# Altium PCB Fuel_Dispenser_Controller_V1.0.0.PcbDoc (part 1 of 4)
Units mm, origin at the board's own origin, x right, y up, seen from the top; angles counter-clockwise.
Board outline 100 x 60 mm, 6 copper layers (L1_SIG, L2_GND, L3_SIG, L4_PWR, L5_GND, L6_SIG), stack 1.538 mm thick; 235 components, 145 nets, 779 pads, 828 vias.
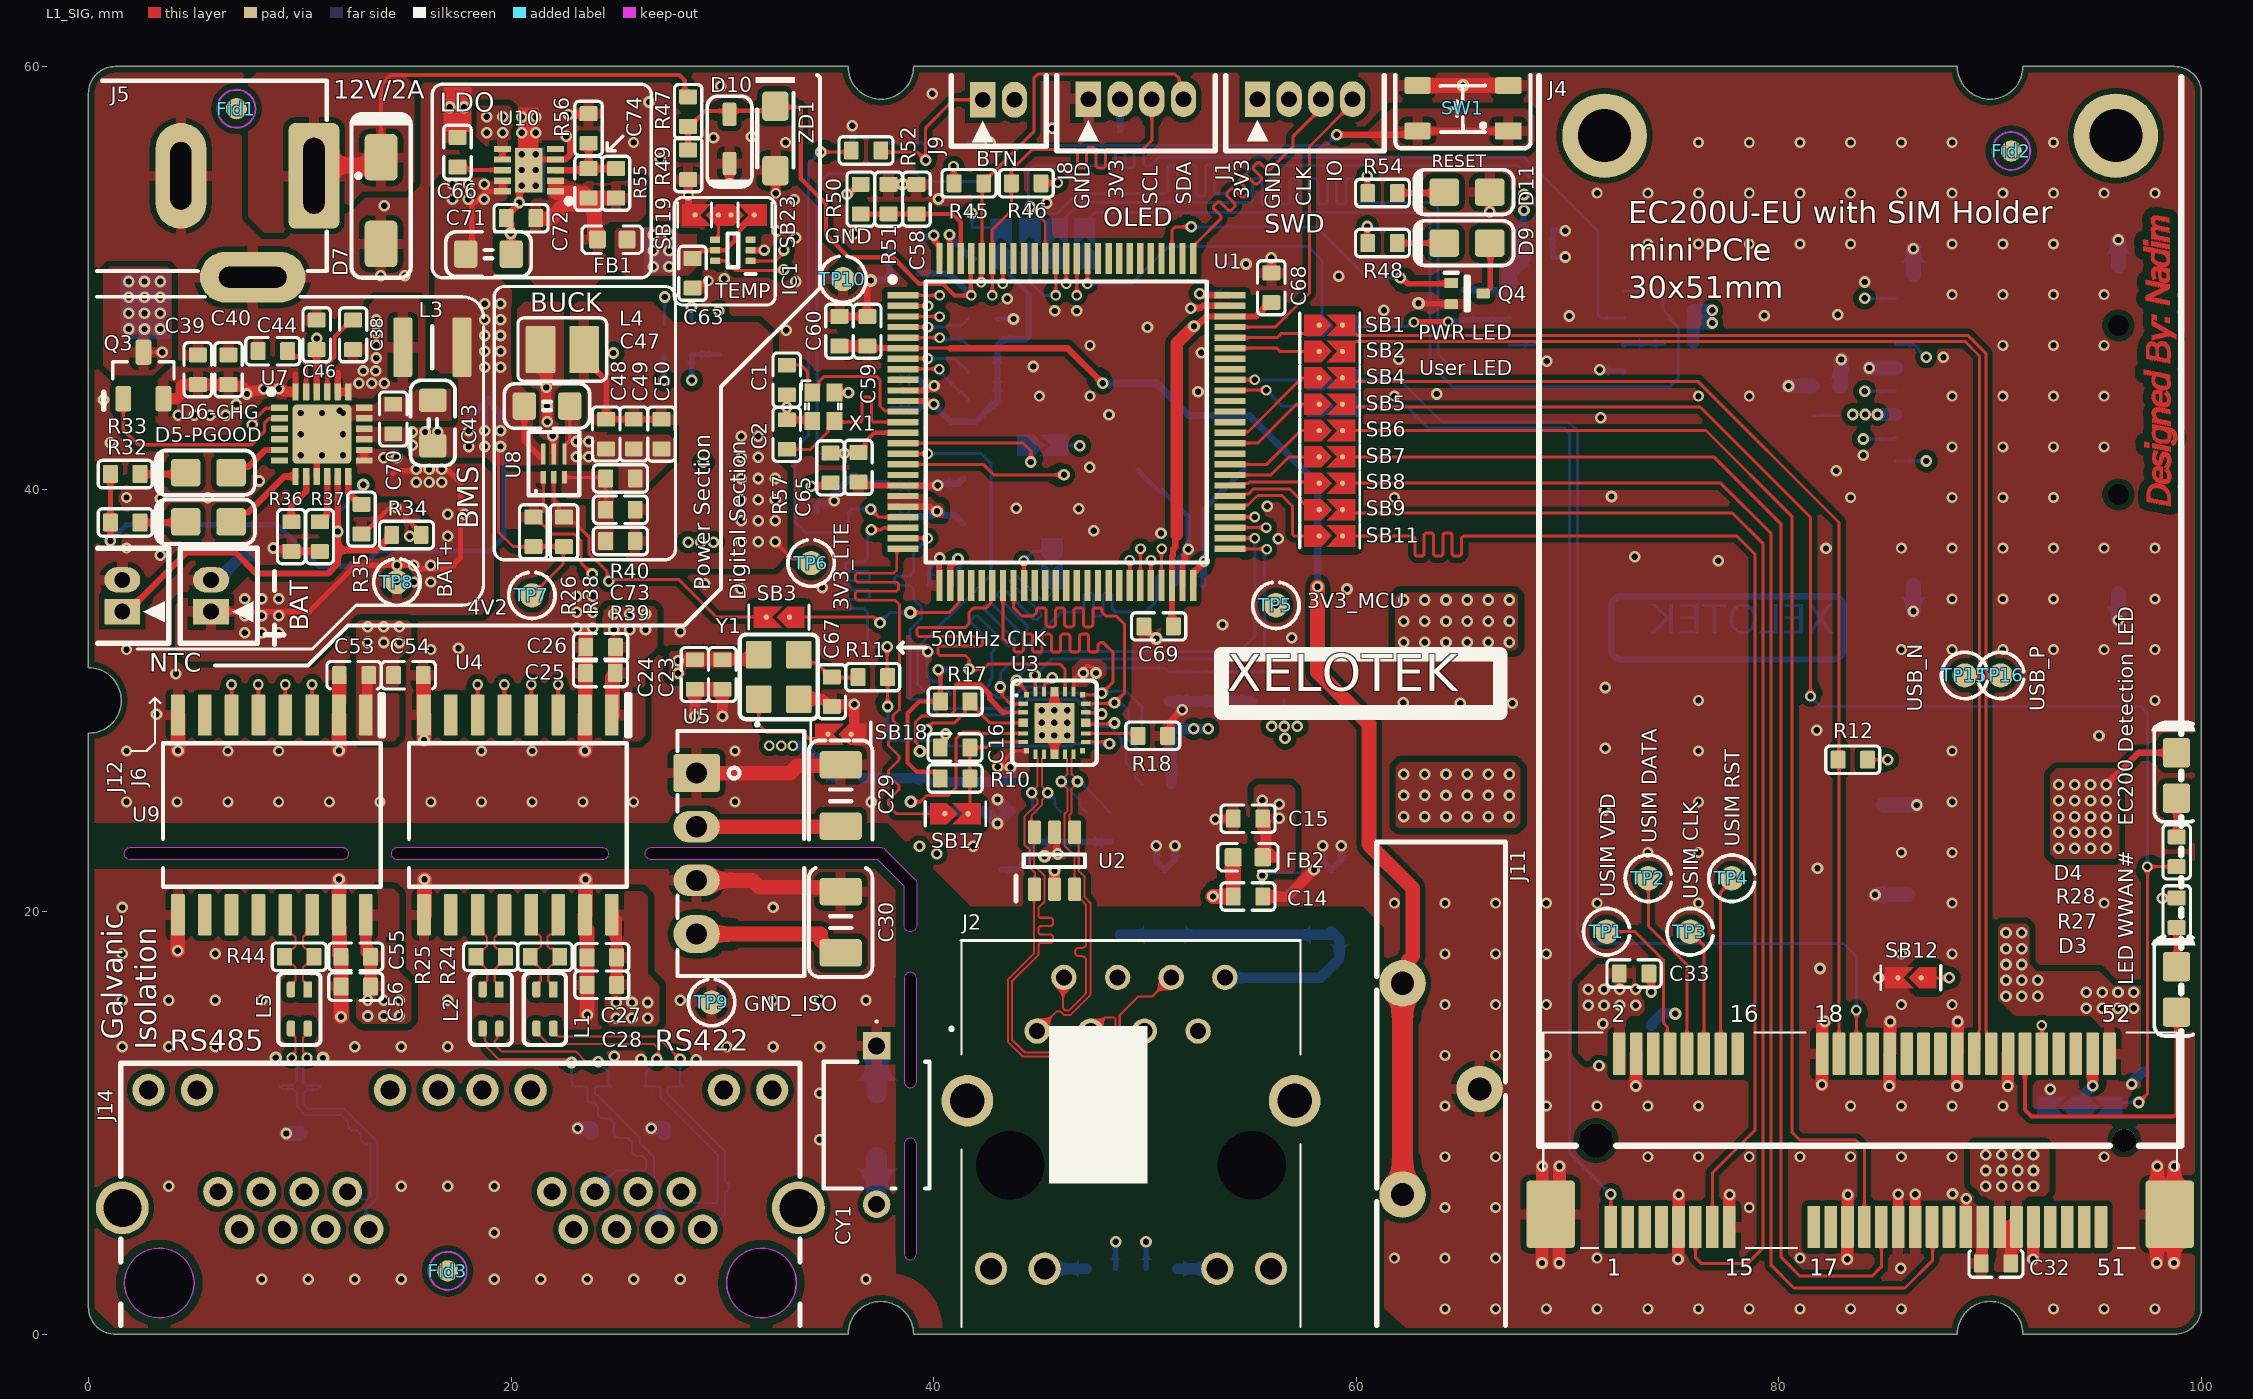
[diagram p0: L1_SIG view]
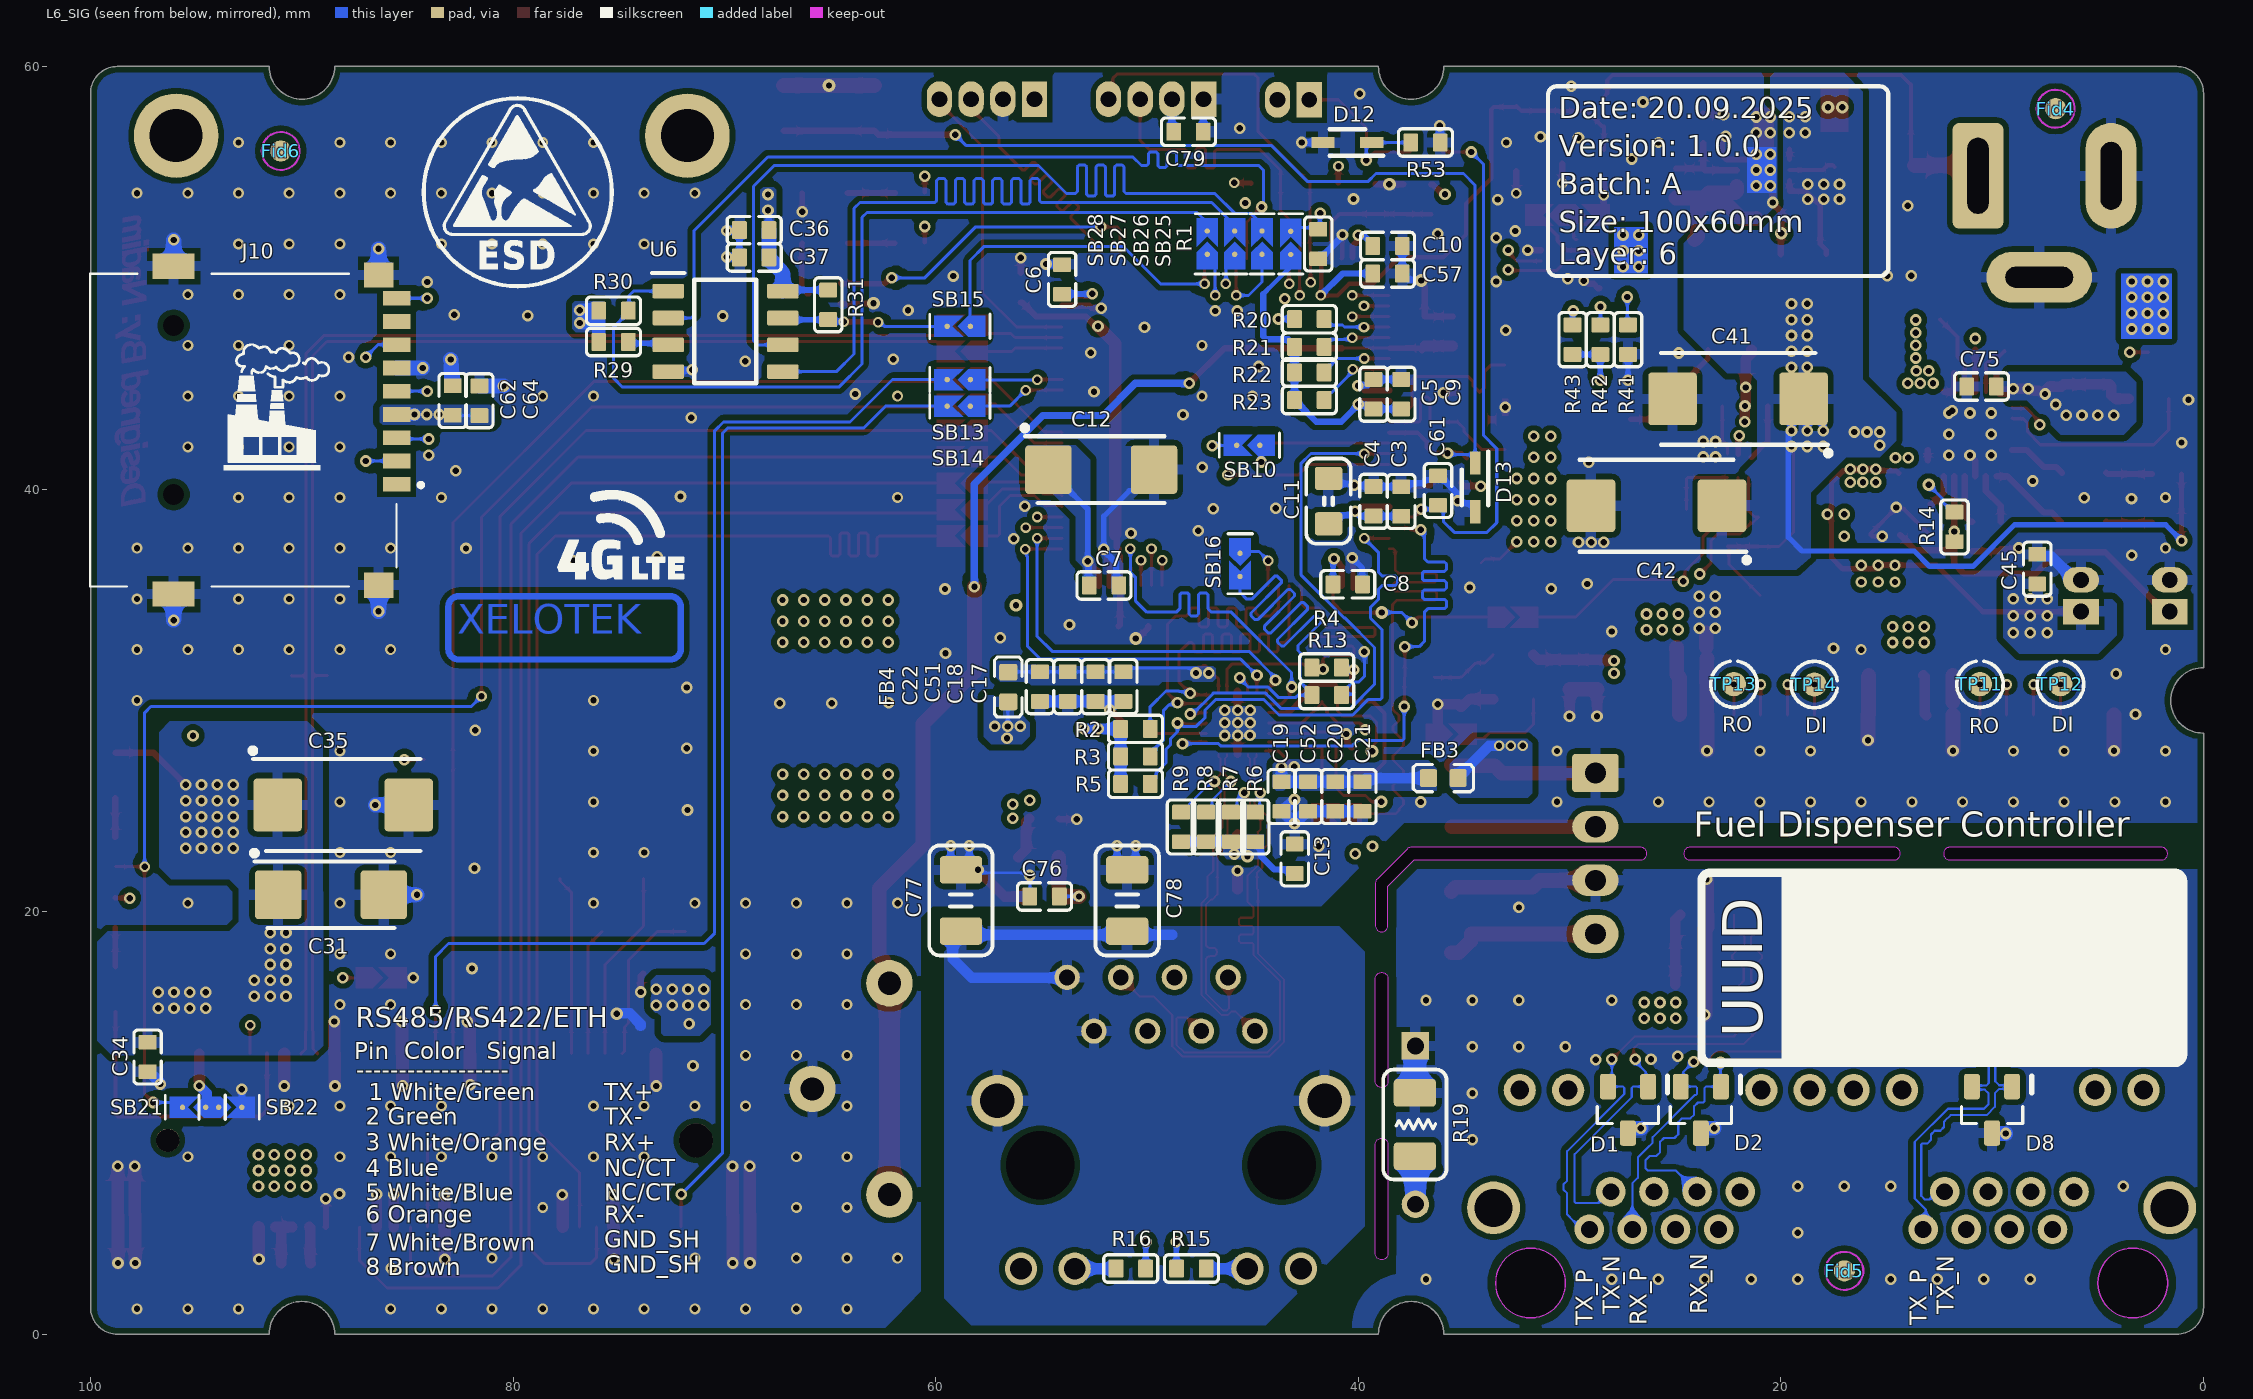
[diagram p1: L6_SIG view, seen from below]
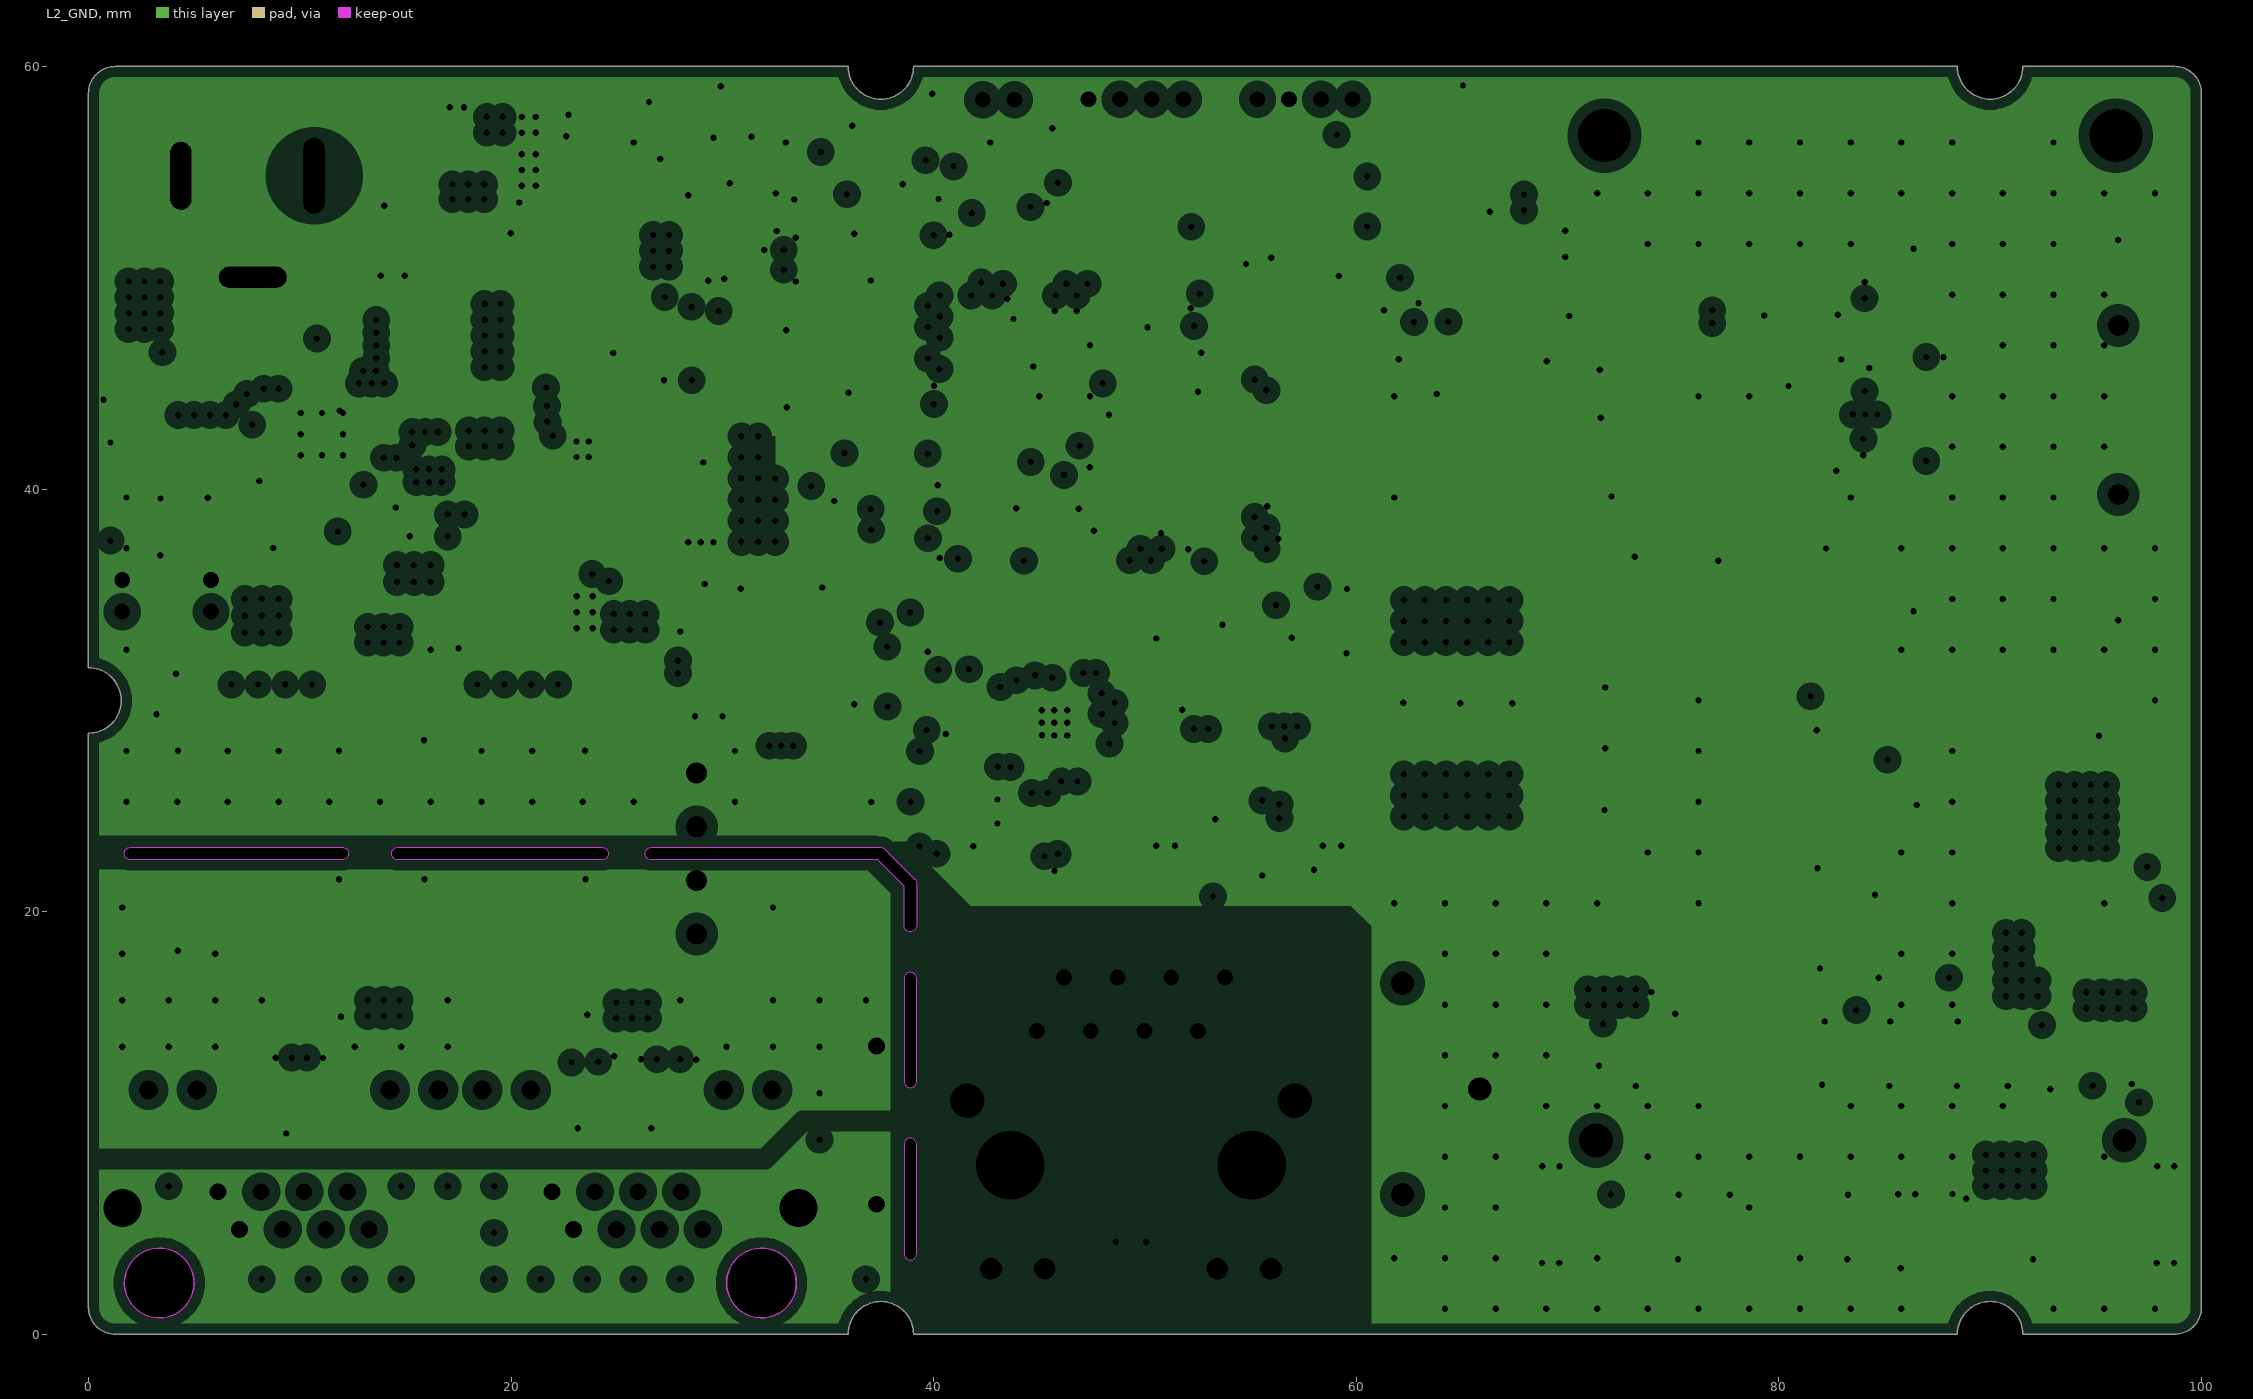
[diagram p2: L2_GND, clearances drawn from the general rule]
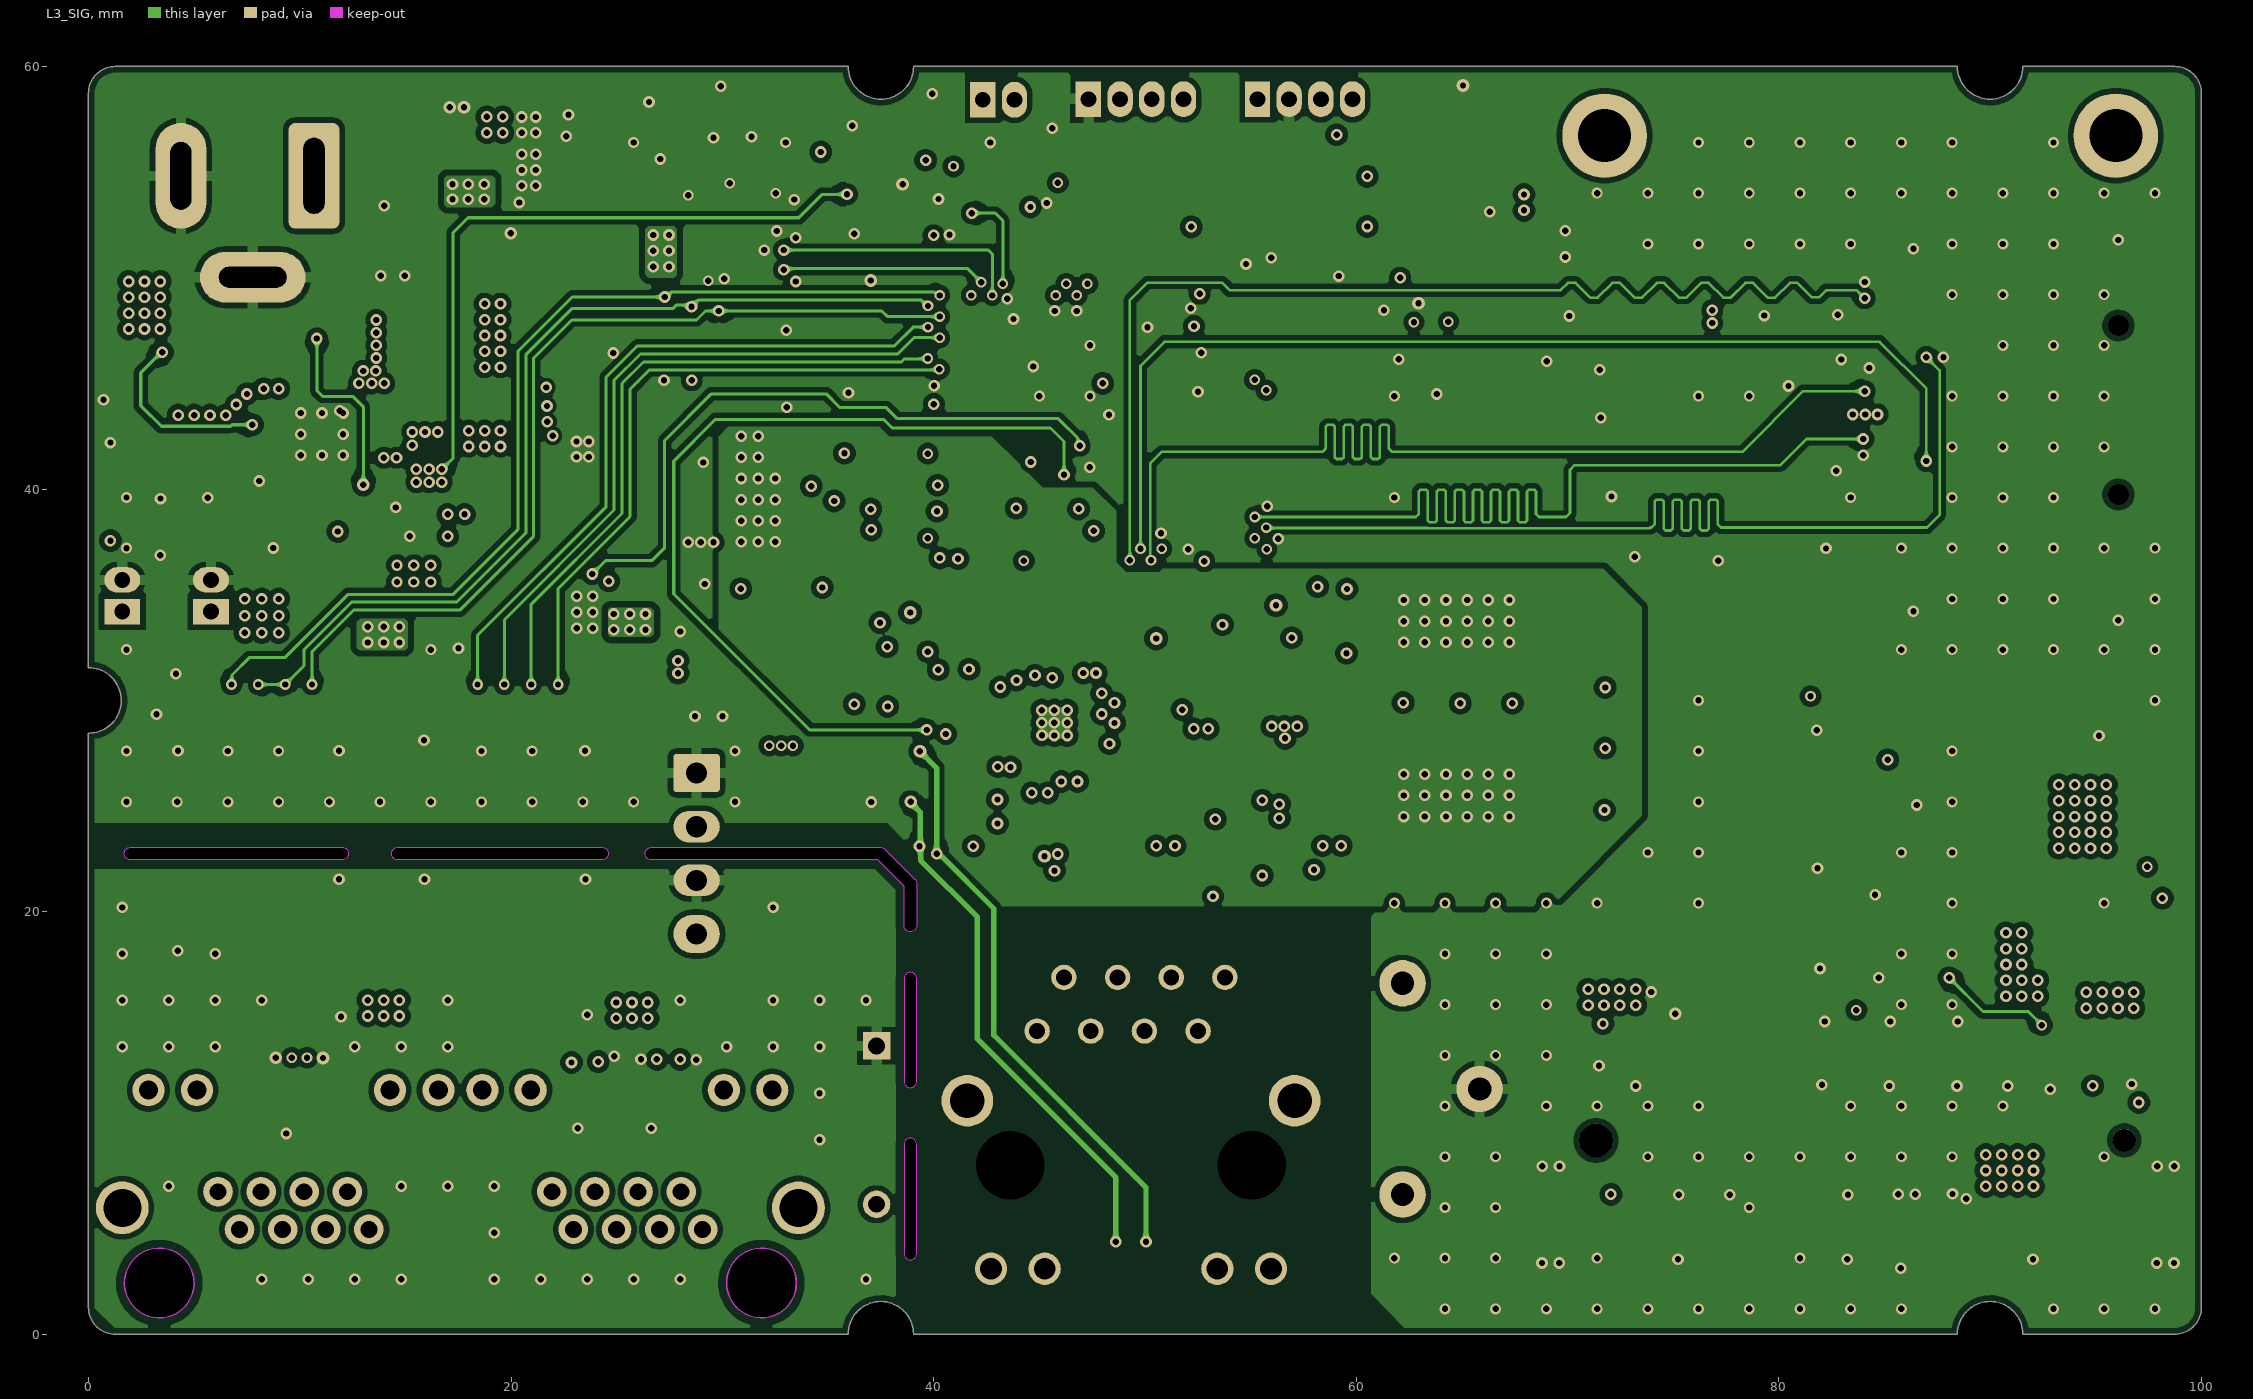
[diagram p3: L3_SIG]